# Altium PCB CPU_CARD.pcbdoc (part 7 of 10)
Units mil, origin at the board's own origin, x right, y up, seen from the top; angles counter-clockwise.
Board outline 12785.46 x 11935.21 mil, 2 copper layers (Top Layer, Bottom Layer); 169 components, 379 nets, 1548 pads, 1023 vias.
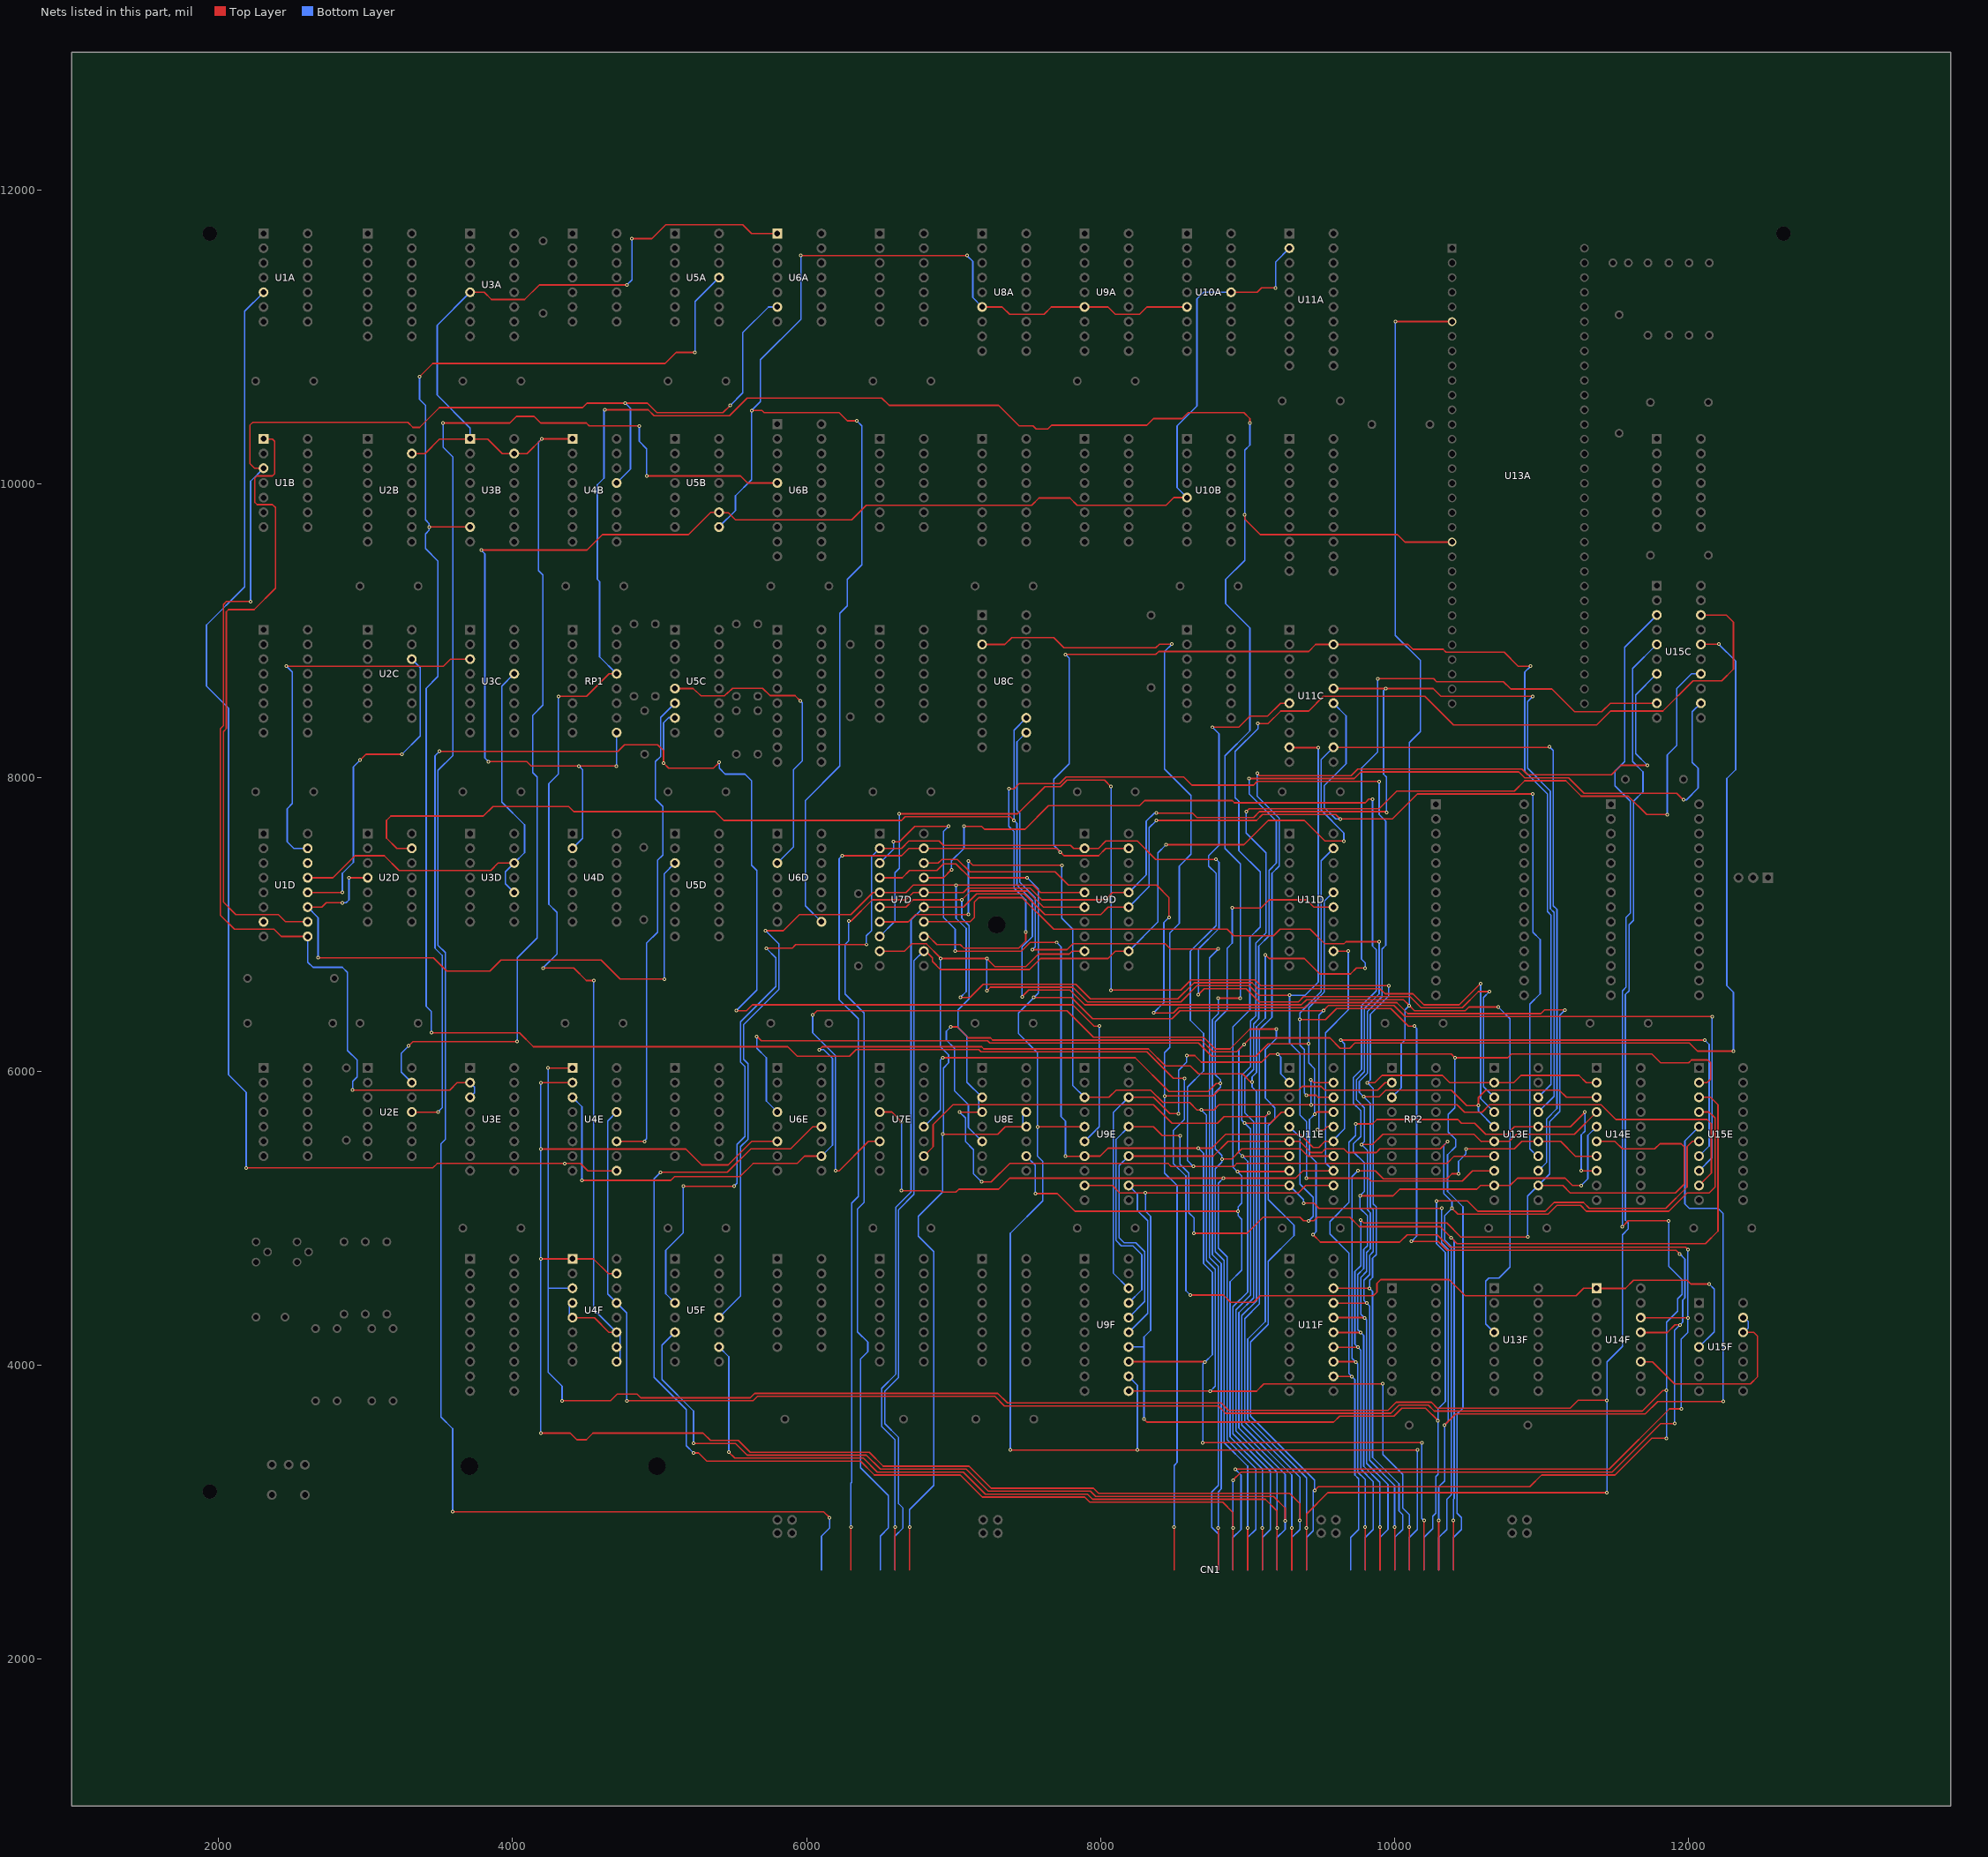
[diagram p7: the nets of this part, all layers, seen from the top]

## Via types
v1: diameter 24, hole 12, Top Layer to Bottom Layer, tented both sides, 1023 vias

## Nets (pads, with @x,y where several pads share a name; then routed paths per layer and width w, separated by ;. In a path a pad name is that pad's centre, name@x,y a point inside that pad or via, vN(x,y) a via of type N, cw(c..) or ccw(c..) an arc to the next point about the centre after c; other vN are vias at no path point) (continued)
/SPIO: U3B.7 U5A.11 U14F.1 U15F.4 | length 18595.9
  Top Layer w10: v1(3366.7,10727.2) 3456.7,10817.2 5036.7,10817.2 5111.7,10892.2 ; v1(3431.7,9704.29) U3B.7@3710.83,9704.3 ; v1(3446.7,6262.2) 4046.7,6262.2 4141.7,6167.2 5871.7,6167.2 5936.7,6102.2 6291.7,6102.2 6336.7,6147.2 7171.7,6147.2 7186.7,6132.2 8316.7,6132.2 8496.7,5952.2 v1(8571.7,5952.2) ; v1(8611.7,4477.2) 8836.7,4477.2 8886.7,4427.2 9041.7,4427.2 9086.7,4472.2 9856.7,4472.2 9881.7,4497.2 9881.7,4557.2 9906.7,4582.2 10371.7,4582.2 10481.7,4472.2 11236.7,4472.2 11288.1,4523.6 U14F.1@11376.17,4523.6 ; U14F.1@11376.17,4523.6 11377.55,4522.2 11571.7,4522.2 11626.7,4577.2 11991.7,4577.2 12016.7,4552.2 v1(12141.7,4552.2) ; 5111.7,10892.2 v1(5241.7,10892.2) 5111.7,10892.2
  Bottom Layer w10: v1(3366.7,10727.2) 3366.7,10572.2 3406.7,10532.2 3406.7,9752.2 3431.7,9727.2 3431.7,9707.2 3431.7,9682.2 3406.7,9657.2 3406.7,9557.2 3491.7,9472.2 3491.7,8687.2 3411.7,8607.2 3411.7,6442.2 3446.7,6407.2 v1(3446.7,6262.2) ; v1(5241.7,10892.2) 5241.7,11239.09 U5A.11@5404.53,11401.92 ; v1(8571.7,5952.2) 8571.7,5672.2 8496.7,5597.2 8496.7,5372.2 8581.7,5287.2 8581.7,4507.2 v1(8611.7,4477.2) ; U15F.4@12073.02,4123.59 12176.7,4227.3 12176.7,4517.2 v1(12141.7,4552.2)
/START: U1A.5 U4E.9 | length 8784.9
  Top Layer w10: v1(2186.7,5342.2) 3456.7,5342.2 3486.7,5372.2 4353.85,5372.2 4461.7,5372.2 4512.3,5322.8 U4E.9@4707.68,5322.81
  Bottom Layer w10: v1(2186.7,5342.2) 2186.7,5857.2 2066.7,5977.2 2066.7,8472.2 1916.7,8622.2 1916.7,9037.2 2176.7,9297.2 2176.7,11172.2 U1A.5@2305.3,11300.8
  other v1: 4353.85,5372.2
/STK: RP1.9 U4D.2 U5B.9 U10A.14 U10B.5 U11A.2 | length 10516
  Top Layer w10: v1(3786.7,9547.2) 4506.7,9547.2 4611.7,9652.2 5196.7,9652.2 5348.8,9804.3 U5B.9@5404.53,9804.29 5406.6,9802.2 5466.7,9802.2 5516.7,9752.2 6306.7,9752.2 6406.7,9852.2 7531.7,9852.2 7581.7,9902.2 7791.7,9902.2 7841.7,9852.2 8446.7,9852.2 8498.8,9904.3 U10B.5@8588.78,9904.29 ; v1(3836.7,8107.2) 4096.7,8107.2 4126.7,8077.2 v1(4451.7,8077.2) v1(4706.7,8077.2) ; U10A.14@8888.77,11301.92 9066.7,11302.2 9096.7,11332.2 v1(9191.7,11332.2)
  Bottom Layer w10: v1(3786.7,9547.2) 3811.7,9522.2 3811.7,8132.2 v1(3836.7,8107.2) ; U4D.2@4407.68,7517.29 4476.7,7586.3 4476.7,8052.2 v1(4451.7,8077.2) ; v1(4706.7,8077.2) 4706.7,8304.1 RP1.9@4707.68,8305.08 ; U10B.5@8588.78,9904.29 8521.7,9971.4 8521.7,10392.2 8656.7,10527.2 8656.7,11257.2 8701.4,11301.9 U10A.14@8888.77,11301.92 ; v1(9191.7,11332.2) 9191.7,11508 U11A.2@9285.62,11601.92
/T0: U1D.15 U3C.3 | length 2652.3
  Top Layer w10: v1(2461.7,8757.2) 3528.83,8757.2 3576.7,8805.07 U3C.3@3710.83,8805.08
  Bottom Layer w10: v1(2461.7,8757.2) 2501.7,8717.2 2501.7,7822.2 2466.7,7787.2 2466.7,7562.2 2511.7,7517.2 U1D.15@2605.33,7517.29
/T1: U1D.14
/T2: U1D.13 U3C.13 U3D.10 U3D.12 | length 3195.7
  Top Layer w10: U1D.13@2605.33,7317.29 2776.7,7317.2 2926.7,7467.2 3126.7,7467.2 3226.7,7367.2 3851.7,7367.2 3901.8,7417.3 U3D.12@4010.83,7417.29
  Bottom Layer w10: U3D.10@4010.83,7217.29 3951.7,7276.4 3951.7,7358.2 U3D.12@4010.83,7417.29 4081.7,7488.2 4081.7,7677.2 3926.7,7832.2 3926.7,8622.2 4009.6,8705.1 U3C.13@4010.83,8705.08
/T3: U1D.12 U2C.12 | length 2211.3
  Top Layer w10: U1D.12@2605.33,7217.29 2605.4,7217.2 v1(2841.7,7217.2) ; v1(2961.7,8117.2) 3001.7,8157.2 v1(3246.7,8157.2)
  Bottom Layer w10: v1(2841.7,7217.2) 2841.7,7347.2 2916.7,7422.2 2916.7,8072.2 v1(2961.7,8117.2) ; v1(3246.7,8157.2) 3371.7,8282.2 3371.7,8747.4 U2C.12@3313.98,8805.08
/T4: U1D.11 U2D.4 U5D.3 | length 4241.5
  Top Layer w10: U1D.11@2605.33,7117.29 2605.42,7117.2 2701.7,7117.2 2731.7,7147.2 v1(2841.7,7147.2) ; v1(2676.7,6772.2) 3461.7,6772.2 3551.7,6682.2 3846.7,6682.2 3921.7,6757.2 4601.7,6757.2 4731.7,6627.2 v1@5021.7,6627.2 ; v1(2886.7,7317.2) 3013.89,7317.2 U2D.4@3013.98,7317.29
  Bottom Layer w10: U1D.11@2605.33,7117.29 2676.7,7045.92 v1(2676.7,6772.2) ; v1(2841.7,7147.2) 2866.7,7147.2 2886.7,7167.2 v1(2886.7,7317.2) ; v1(5031.7,6627.2) 5031.7,7344.44 U5D.3@5104.53,7417.29
/T5: U1B.1 U1D.10 | length 4334.4
  Top Layer w10: U1B.1@2305.32,10304.29 2307.4,10302.2 2366.7,10302.2 2381.7,10287.2 2381.7,10067.2 2366.7,10052.2 2261.7,10052.2 2246.7,10037.2 2246.7,9872.2 2261.7,9857.2 2366.7,9857.2 2386.7,9837.2 2386.7,9287.2 2241.7,9142.2 2066.7,9142.2 2051.7,9127.2 2051.7,8332.2 2031.7,8312.2 2031.7,7152.2 2116.7,7067.2 2406.7,7067.2 2456.6,7017.3 U1D.10@2605.33,7017.29
/T6: U1B.3 U1D.9 U3E.2 U3E.3 U4B.13 U6A.6 | length 11383.3
  Top Layer w10: v1(2216.7,9197.2) 2051.7,9197.2 2031.7,9177.2 2031.7,8352.2 2011.7,8332.2 2011.7,7062.2 2106.7,6967.2 2376.7,6967.2 2426.8,6917.3 U1D.9@2605.33,6917.29 ; U1B.3@2305.32,10104.29 2244.6,10104.3 2211.7,10137.2 2211.7,10397.2 2231.7,10417.2 3286.7,10417.2 3321.7,10382.2 3366.7,10382.2 3501.7,10517.2 4476.7,10517.2 4506.7,10547.2 v1(4766.52,10547.2) 4916.7,10547.2 4981.7,10482.2 5431.7,10482.2 v1(5481.7,10532.2) ; v1(2911.7,5872.2) 3571.7,5872.2 3622.3,5922.8 U3E.2@3710.83,5922.81
  Bottom Layer w10: v1(2216.7,9197.2) 2216.7,10015.67 U1B.3@2305.32,10104.29 ; U1D.9@2605.33,6917.29 2606.7,6915.9 2606.7,6742.2 2641.7,6707.2 2841.7,6707.2 2876.7,6672.2 2876.7,6142.2 2941.7,6077.2 2941.7,5962.2 2911.7,5932.2 v1(2911.7,5872.2) ; U3E.3@3710.83,5822.81 3741.7,5853.66 3741.7,5891.94 U3E.2@3710.83,5922.81 ; U4B.13@4707.68,10004.3 4801.7,10098.3 4801.7,10512 v1(4766.52,10547.2) ; v1(5481.7,10532.2) 5566.7,10617.2 5566.7,11027.2 5741.4,11201.9 U6A.6@5801.38,11201.92
/T7: U1D.7
/UAS: RP2.3 U2D.13 U8C.13 U13A.6 U13F.4 | length 18256.2
  Top Layer w10: U2D.13@3313.98,7517.29 3211.7,7517.2 3141.7,7587.2 3141.7,7707.2 3171.7,7737.2 3801.7,7737.2 3866.7,7802.2 4381.7,7802.2 4416.7,7767.2 5376.7,7767.2 5436.7,7707.2 6646.7,7707.2 6671.7,7732.2 7386.7,7732.2 v1(7411.7,7707.2) ; v1(7466.7,6507.2) 7511.7,6552.2 7791.7,6552.2 7891.7,6452.2 9366.7,6452.2 9401.7,6487.2 10061.7,6487.2 v1(10101.7,6447.2) 10136.7,6412.2 10481.7,6412.2 10506.7,6437.2 v1(10706.7,6437.2) ; v1(10006.7,11102.2) 10392.44,11102.2 U13A.6@10392.71,11101.93
  Bottom Layer w10: v1(7466.7,6507.2) 7466.7,6847.2 7536.7,6917.2 7536.7,7162.2 7431.7,7267.2 7431.7,7687.2 v1(7411.7,7707.2) 7411.7,8321.7 U8C.13@7495.07,8405.08 ; RP2.3@9982.48,5822.81 10046.7,5887 10046.7,6187.2 10071.7,6212.2 10071.7,6417.2 v1(10101.7,6447.2) 10101.7,8237.2 10176.7,8312.2 10176.7,8797.2 10006.7,8967.2 v1(10006.7,11102.2) ; U13F.4@10679.32,4223.6 10621.7,4281.2 10621.7,4572.2 10641.7,4592.2 10711.7,4592.2 10786.7,4667.2 10786.7,6357.2 v1(10706.7,6437.2)
/UDS: CN1.66 RP2.2 U8C.3 | length 9874.1
  Top Layer w10: 7581.7,8952.2 7396.7,8952.2 ; v1(8436.7,5832.2) 8765.6,5832.2 8805.6,5872.2 9346.7,5872.2 9371.7,5897.2 9501.7,5897.2 9526.7,5872.2 9886.7,5872.2 9937.3,5922.8 RP2.2@9982.48,5922.81 ; v1(8486.7,8907.2) 8401.7,8907.2 8376.7,8882.2 7751.7,8882.2 7681.7,8952.2 7396.7,8952.2 ; v1(8501.7,2897.2) 8501.85,2897.05 CN1.66@8501.81,2607.23 ; 7349.58,8905.08 U8C.3@7195.07,8905.08 7349.58,8905.08 ; 7349.58,8905.08 7396.7,8952.2 ; 7349.58,8905.08 7396.7,8952.2
  Bottom Layer w10: v1(8486.7,8907.2) 8436.7,8857.2 8436.7,8057.2 8616.7,7877.2 8616.7,7477.2 8536.7,7397.2 8536.7,7007.2 8471.7,6942.2 8471.7,6162.2 8436.7,6127.2 v1(8436.7,5832.2) 8436.7,5307.2 8521.7,5222.2 8521.7,3337.2 8501.7,3317.2 v1(8501.7,2897.2)
/VAL: U14F.11 U15F.12 U15F.13 | length 1398.8
  Top Layer w10: U14F.11@11676.17,4023.6 11677.57,4022.2 11756.7,4022.2 11906.7,3872.2 12421.7,3872.2 12471.7,3922.2 12471.7,4197.2 12445.3,4223.6 U15F.12@12373.02,4223.59
  Bottom Layer w10: U15F.12@12373.02,4223.59 12378.1,4223.6 12406.7,4252.2 12406.7,4297.2 12380.3,4323.6 U15F.13@12373.02,4323.59
/VMA: CN1.59 U8C.12 | length 7172.4
  Top Layer w10: v1(7536.7,6827.2) 7771.7,6827.2 7811.7,6867.2 8441.7,6867.2 8476.7,6832.2 v1(8801.7,6832.2)
  Bottom Layer w10: U8C.12@7495.07,8305.08 7431.7,8241.7 7431.7,7777.2 7451.7,7757.2 7451.7,7287.2 7556.7,7182.2 7556.7,6847.2 v1(7536.7,6827.2) ; v1(8801.7,6832.2) 8741.7,6772.2 8741.7,4732.2 8801.7,4672.2 8801.7,3182.2 8756.7,3137.2 8756.7,2897.2 8801.89,2852.01 8801.89,2607.2
/VPA: CN1.60 RP1.13 U4F.4 U4F.5 U4F.9 U4F.10 U4F.11 U13A.21 | length 22207.9
  Top Layer w10: v1(4206.7,6702.2) 4416.7,6702.2 4501.7,6617.2 v1(4551.7,6617.2) ; v1(4311.7,8552.2) 4503.83,8552.2 4656.7,8705.07 RP1.13@4707.68,8705.08 ; U4F.5@4407.68,4323.6 4409.1,4322.2 4556.7,4322.2 4655.3,4223.6 U4F.11@4707.68,4223.6 ; v1(4626.7,10502.2) 4921.7,10502.2 4961.7,10462.2 5476.7,10462.2 5596.7,10582.2 6511.7,10582.2 6561.7,10532.2 7306.7,10532.2 7446.7,10392.2 7541.7,10392.2 7561.7,10372.2 7641.7,10372.2 7666.7,10397.2 8316.7,10397.2 8361.7,10442.2 8556.7,10442.2 8596.7,10482.2 8976.7,10482.2 9016.7,10442.2 v1(9016.7,10412.2) ; v1(8801.7,2892.2) 8801.89,2892.01 8801.89,2607.2 ; v1(8801.7,6497.2) v1(8951.7,6497.2) ; v1(8981.7,9787.2) 8981.7,9757.2 9086.7,9652.2 10021.7,9652.2 10071.97,9601.93 U13A.21@10392.71,9601.93
  Bottom Layer w10: v1(4206.7,6702.2) 4301.7,6797.2 4301.7,7082.2 4246.7,7137.2 4246.7,7957.2 4311.7,8022.2 v1(4311.7,8552.2) ; U4F.5@4407.68,4323.6 4405.3,4323.6 4386.7,4342.2 4386.7,4402.6 U4F.4@4407.68,4423.6 ; v1(4551.7,6617.2) 4551.7,4379.6 4731.7,4199.6 4731.7,4147.6 U4F.10@4707.68,4123.6 4731.7,4099.6 4731.7,4047.6 U4F.9@4707.68,4023.6 ; v1(4626.7,10502.2) 4621.7,10502.2 4621.7,10037.2 4576.7,9992.2 4576.7,9347.2 4591.7,9332.2 4591.7,8821.1 RP1.13@4707.68,8705.08 ; v1(8801.7,2892.2) 8801.7,3137.2 8821.7,3157.2 8821.7,4692.2 8761.7,4752.2 8761.7,6352.2 8801.7,6392.2 v1(8801.7,6497.2) ; v1(8951.7,6497.2) 8951.7,7412.2 8846.7,7517.2 8846.7,8147.2 9016.7,8317.2 9016.7,9017.2 8851.7,9182.2 8851.7,9347.2 8981.7,9477.2 v1(8981.7,9787.2) 8981.7,10227.2 9016.7,10262.2 v1(9016.7,10412.2)
/VSIR: U5C.5 U6D.3 | length 2109.7
  Top Layer w10: U5C.5@5104.53,8605.08 5228.83,8605.07 5281.7,8555.08 5441.7,8555.08 5496.7,8607.2 5701.7,8607.2 5751.7,8557.2 5921.7,8557.2 v1(5956.7,8522.2)
  Bottom Layer w10: U6D.3@5801.38,7417.29 5911.7,7527.6 5911.7,8052.2 5971.7,8112.2 5971.7,8507.2 v1(5956.7,8522.2)
/VSYNC: CN1.113 U6B.5 | length 14770.7
  Top Layer w10: v1(3526.7,10412.2) 3981.7,10412.2 4026.7,10457.2 4146.7,10457.2 4191.7,10412.2 4501.7,10412.2 4521.7,10392.2 v1(4861.7,10392.2) ; v1(4911.7,10052.2) 5551.7,10052.2 5599.61,10004.29 U6B.5@5801.38,10004.29 ; 5206.7,3002.2 v1(3591.7,3002.2) 6116.7,3002.2 v1(6156.7,2962.2)
  Bottom Layer w10: v1(3526.7,10412.2) 3526.7,10247.2 3592.8,10181.1 3592.8,8148.3 3491.7,8047.2 3491.7,6857.2 3541.7,6807.2 3541.7,5537.2 3511.7,5507.2 3511.7,3647.2 3591.7,3567.2 v1(3591.7,3002.2) ; v1(4861.7,10392.2) 4861.7,10287.2 4911.7,10237.2 v1(4911.7,10052.2) ; CN1.113@6101.56,2607.23 6101.6,2837.1 6156.7,2892.2 v1(6156.7,2962.2)
/VTIR: U2E.11 U5C.7 U9E.6 | length 10407.1
  Top Layer w10: U2E.11@3313.98,5722.8 3314.58,5722.2 v1(3491.7,5722.2) ; v1(3501.7,8177.2) 4716.7,8177.2 4761.7,8222.2 4986.7,8222.2 5026.7,8182.2 v1(5026.7,8097.2) 5061.7,8062.2 5366.7,8062.2 v1(5406.7,8102.2) ; v1(5521.7,6412.2) 5591.7,6412.2 5631.7,6452.2 7811.7,6452.2 7956.7,6307.2 v1(7991.7,6307.2)
  Bottom Layer w10: v1(3491.7,5722.2) 3520.6,5751.1 3520.6,6788.3 3471.7,6837.2 3471.7,8147.2 v1(3501.7,8177.2) ; v1(5026.7,8097.2) 5026.7,8372.2 5061.7,8407.2 5102.4,8407.2 U5C.7@5104.53,8405.08 ; v1(5406.7,8102.2) 5406.7,8062.2 5446.7,8022.2 5581.7,8022.2 5626.7,7977.2 5626.7,7402.2 5661.7,7367.2 5661.7,6552.2 v1(5521.7,6412.2) ; U9E.6@7891.92,5522.8 7991.7,5622.58 v1(7991.7,6307.2)
/VTMSK: U4E.11 U5C.6 | length 3298.8
  Top Layer w10: U4E.11@4707.68,5522.81 v1(4896.7,5522.8)
  Bottom Layer w10: v1(4896.7,5522.8) 4896.7,5527.2 4911.7,5542.2 4911.7,6872.2 4986.7,6947.2 4986.7,7437.2 5021.7,7472.2 5021.7,7802.2 4971.7,7852.2 4971.7,8107.2 5006.7,8142.2 5006.7,8407.3 U5C.6@5104.53,8505.08
A1: CN1.47 U4E.13 U4F.13 U7E.6 U15C.3 | length 27058.2
  Top Layer w10: v1(4776.7,3757.2) 5636.7,3757.2 5666.7,3787.2 7281.7,3787.2 7346.7,3722.2 8801.7,3722.2 8851.7,3672.2 9976.7,3672.2 10031.7,3727.2 10231.7,3727.2 10271.7,3687.2 11686.7,3687.2 11826.7,3827.2 v1(11851.7,3827.2) ; v1(6041.7,6382.2) 6071.7,6412.2 7771.7,6412.2 7951.7,6232.2 8701.7,6232.2 8781.7,6152.2 8881.7,6152.2 9016.7,6287.2 v1(9196.7,6287.2) ; v1(6196.7,5322.2) 6221.7,5322.2 6422.3,5522.8 U7E.6@6498.23,5522.81 ; v1(9456.7,3147.2) 9481.7,3172.2 10921.7,3172.2 11001.7,3252.2 11501.7,3252.2 11751.7,3502.2 v1(11851.7,3502.2) ; v1(11551.7,4942.2) 11591.7,4982.2 v1(11866.7,4982.2)
  Bottom Layer w10: U4E.13@4707.68,5722.81 4646.7,5661.81 4646.7,4484.58 U4F.13@4707.68,4423.6 4776.7,4354.6 v1(4776.7,3757.2) ; v1(6041.7,6382.2) 6041.7,6262.2 6196.7,6107.2 v1(6196.7,5322.2) ; v1(9196.7,6287.2) 9196.7,6222.2 9121.7,6147.2 9121.7,5817.2 9186.7,5752.2 9186.7,5677.2 9141.7,5632.2 9141.7,5127.2 9316.7,4952.2 9316.7,4882.2 9141.7,4707.2 9141.7,4277.2 9021.7,4157.2 9021.7,3652.2 9456.7,3217.2 v1(9456.7,3147.2) 9446.7,3147.2 9446.7,2872.2 9401.9,2827.4 CN1.47@9401.9,2607.24 ; v1(11551.7,4942.2) 11551.7,6547.2 11576.7,6572.2 11576.7,7047.2 11606.7,7077.2 11606.7,7837.2 11501.7,7942.2 11501.7,8042.2 11566.7,8107.2 11566.7,8886.2 U15C.3@11785.62,9105.08 ; v1(11851.7,3502.2) v1(11851.7,3827.2) 11851.7,4292.2 11926.7,4367.2 11926.7,4452.2 11956.7,4482.2 11956.7,4582.2 11866.7,4672.2 v1(11866.7,4982.2)
A2: CN1.48 U4E.1 U4F.3 U7E.10 U15C.5 | length 24083.7
  Top Layer w10: v1(4241.7,6022.2) U4E.1@4407.68,6022.81 ; v1(4336.7,3757.2) 4666.7,3757.2 4711.7,3802.2 4846.7,3802.2 4871.7,3777.2 5616.7,3777.2 5646.7,3807.2 7301.7,3807.2 7366.7,3742.2 8821.7,3742.2 8871.7,3692.2 9956.7,3692.2 10011.7,3747.2 10251.7,3747.2 10291.7,3707.2 11196.7,3707.2 11250.4,3760.9 v1(11446.7,3760.94) ; U7E.10@6798.23,5422.81 6861.7,5486.26 6861.7,5637.2 6996.7,5772.2 8361.7,5772.2 8486.7,5647.2 8796.7,5647.2 8841.7,5692.2 9121.7,5692.2 v1(9146.7,5717.2) ; CN1.48@9401.9,2607.23 9401.95,2891.95 v1(9401.7,2892.2) 9401.7,2987.2 9546.7,3132.2 v1(11446.7,3132.2)
  Bottom Layer w10: 4241.7,4523.59 U4F.3@4407.68,4523.6 ; v1(4241.7,6022.2) 4241.7,3952.2 4336.7,3857.2 v1(4336.7,3757.2) ; v1(9146.7,5717.2) 9121.7,5692.2 9121.7,4297.2 9001.7,4177.2 9001.7,3632.2 9401.7,3232.2 v1(9401.7,2892.2) ; v1(11446.7,3132.2) v1(11446.7,3760.94) ; v1(11446.7,3760.94) 11446.7,4022.2 11551.7,4127.2 11551.7,4887.2 11591.7,4927.2 11591.7,4967.2 11571.7,4987.2 11571.7,6522.2 11596.7,6547.2 11596.7,6997.2 11626.7,7027.2 11626.7,7837.2 11691.7,7902.2 11691.7,8037.2 11621.7,8107.2 11621.7,8742.2 11784.6,8905.1 U15C.5@11785.62,8905.08
A3: CN1.49 U4E.2 U4F.1 U4F.15 U6E.6 U15C.7 | length 19594.2
  Top Layer w10: v1(4191.7,3537.2) 4391.7,3537.2 4436.7,3492.2 4501.7,3492.2 4546.7,3537.2 5296.7,3537.2 5346.7,3487.2 5536.7,3487.2 5616.7,3407.2 6426.7,3407.2 6521.7,3312.2 7106.7,3312.2 7256.7,3162.2 7951.7,3162.2 7986.7,3127.2 9286.7,3127.2 9356.7,3057.2 v1(9356.7,2941.87) ; v1(4191.7,4723.14) U4F.1@4407.68,4723.6 ; v1(4191.7,5471.14) 5177.8,5471.1 5286.7,5362.2 5466.7,5362.2 5626.7,5522.2 U6E.6@5801.38,5522.81 ; v1(4191.7,5922.2) U4E.2@4407.68,5922.81 ; U4F.1@4407.68,4723.6 4550.31,4723.59 4651.7,4622.2 4706.3,4622.2 U4F.15@4707.68,4623.6 ; v1(9066.7,8027.2) 9081.7,8012.2 9706.7,8012.2 9751.7,8057.2 10866.7,8057.2 10906.7,8017.2 11476.7,8017.2 11541.7,8082.2 v1(11721.7,8082.2)
  Bottom Layer w10: v1(4191.7,3537.2) v1(4191.7,4723.14) 4191.7,5251.15 v1(4191.7,5471.14) v1(4191.7,5922.2) ; v1(9066.7,8027.2) 9066.7,7872.2 9216.7,7722.2 9216.7,7397.2 9166.7,7347.2 9166.7,6367.2 9081.7,6282.2 9081.7,4417.2 8981.7,4317.2 8981.7,3612.2 9356.7,3237.2 v1(9356.7,2941.87) 9356.7,2882.2 9301.94,2827.44 CN1.49@9301.9,2607.23 ; v1(11721.7,8082.2) 11641.7,8162.2 11641.7,8562.2 11784.6,8705.1 U15C.7@11785.62,8705.08
A4: CN1.50 U4E.3 U6E.10 U15C.9 | length 15363
  Top Layer w10: v1(4471.7,5257.2) 5076.7,5257.2 5101.7,5282.2 5546.7,5282.2 5636.7,5372.2 5786.7,5372.2 5936.1,5372.2 5986.7,5422.8 U6E.10@6101.38,5422.81 ; v1(6086.7,6147.2) 6106.7,6167.2 7191.7,6167.2 7206.7,6152.2 8326.7,6152.2 8441.7,6037.2 8611.7,6037.2 8666.7,5982.2 8966.7,5982.2 9021.7,5927.2 v1(9031.7,5927.2) ; v1(9121.7,6792.2) 9146.7,6767.2 9386.7,6767.2 9491.7,6662.2 9701.7,6662.2 9741.7,6702.2 v1(9801.7,6702.2) ; v1(9301.7,2892.2) 9301.94,2891.96 CN1.50@9301.9,2607.22 ; v1(9886.7,8672.2) 10266.7,8672.2 10286.7,8652.2 10741.7,8652.2 10791.7,8602.2 11071.7,8602.2 11226.7,8447.2 11411.7,8447.2 11469.6,8505.1 U15C.9@11785.62,8505.08
  Bottom Layer w10: U4E.3@4407.68,5822.81 4471.7,5758.79 v1(4471.7,5257.2) ; v1(6086.7,6147.2) 6116.7,6147.2 6176.7,6087.2 6176.7,5498.11 U6E.10@6101.38,5422.81 ; v1(9121.7,6792.2) 9121.7,6362.2 9061.7,6302.2 9061.7,5992.2 9031.7,5962.2 v1(9031.7,5927.2) 9031.7,5892.2 9061.7,5862.2 9061.7,4437.2 8961.7,4337.2 8961.7,3592.2 9301.7,3252.2 v1(9301.7,2892.2) ; v1(9801.7,6702.2) 9801.7,6737.2 9776.7,6762.2 9776.7,8062.2 9886.7,8172.2 v1(9886.7,8672.2)
A5: CN1.51 U5F.6 U15C.12 | length 14750.9
  Top Layer w10: v1(5231.7,3467.2) 5516.7,3467.2 5596.7,3387.2 6406.7,3387.2 6501.7,3292.2 7086.7,3292.2 7236.7,3142.2 7931.7,3142.2 7966.7,3107.2 9176.7,3107.2 9256.7,3027.2 v1(9256.7,2940.36) ; v1(9011.7,7992.2) 9726.7,7992.2 9771.7,8037.2 10846.7,8037.2 10886.7,7997.2 11186.7,7997.2 11291.7,7892.2 11921.7,7892.2 v1(11966.7,7847.2)
  Bottom Layer w10: U5F.6@5104.53,4223.6 5016.7,4135.7 5016.7,3902.2 5231.7,3687.2 v1(5231.7,3467.2) ; v1(9011.7,7992.2) 9011.7,7887.2 9196.7,7702.2 9196.7,7417.2 9146.7,7367.2 9146.7,6922.2 9076.7,6852.2 9076.7,6357.2 9041.7,6322.2 9041.7,6012.2 8981.7,5952.2 8981.7,5717.2 9041.7,5657.2 9041.7,4457.2 8941.7,4357.2 8941.7,3572.2 9256.7,3257.2 v1(9256.7,2940.36) 9256.7,2882.2 9201.93,2827.43 CN1.51@9201.89,2607.23 ; v1(11966.7,7847.2) 11986.7,7847.2 12066.7,7927.2 12066.7,8062.2 12026.7,8102.2 12026.7,8447.2 12084.6,8505.1 U15C.12@12085.62,8505.08
A6: CN1.52 U5F.10 U11E.4 U15C.14 | length 14693.9
  Top Layer w10: v1(5471.7,3407.2) 5511.7,3367.2 6386.7,3367.2 6481.7,3272.2 7066.7,3272.2 7216.7,3122.2 7911.7,3122.2 7946.7,3087.2 9121.7,3087.2 9201.7,3007.2 v1(9201.7,2892.2) 9201.93,2891.97 CN1.52@9201.89,2607.22 ; v1(8981.7,5647.2) 9156.7,5647.2 9231.7,5722.2 U11E.4@9285.62,5722.8 ; v1(8991.7,7767.2) 9011.7,7787.2 9896.7,7787.2 10016.7,7907.2 10816.7,7907.2 10886.7,7977.2 11166.7,7977.2 11271.7,7872.2 11591.7,7872.2 11716.7,7747.2 v1(11856.7,7747.2)
  Bottom Layer w10: U5F.10@5404.53,4123.6 5471.7,4056.4 v1(5471.7,3407.2) ; v1(8991.7,7767.2) 8991.7,7622.2 9126.7,7487.2 9126.7,6942.2 9056.7,6872.2 9056.7,6377.2 9021.7,6342.2 9021.7,6032.2 8961.7,5972.2 8961.7,5667.2 v1(8981.7,5647.2) 9021.7,5607.2 9021.7,4477.2 8921.7,4377.2 8921.7,3552.2 9201.7,3272.2 v1(9201.7,2892.2) ; v1(11856.7,7747.2) 11856.7,8152.2 11921.7,8217.2 11921.7,8605.1 12021.7,8705.1 U15C.14@12085.62,8705.08
A7: CN1.53 U8E.6 U11E.7 U15C.16 | length 13479.8
  Top Layer w10: v1(6981.7,6302.2) 7026.7,6302.2 7101.7,6227.2 7251.7,6227.2 7266.7,6212.2 8686.7,6212.2 8766.7,6132.2 8926.7,6132.2 v1(8976.7,6182.2) 9021.7,6227.2 9561.7,6227.2 9631.7,6157.2 9696.7,6157.2 9731.7,6192.2 12006.7,6192.2 12061.7,6137.2 v1(12306.7,6137.2) ; v1(8966.7,5422.2) U11E.7@9285.62,5422.8 ; U15C.16@12085.62,8905.08 12087.74,8907.2 v1(12206.7,8907.2)
  Bottom Layer w10: v1(6981.7,6302.2) 6951.7,6272.2 6951.7,6212.2 7006.7,6157.2 7006.7,5867.2 7101.7,5772.2 7101.7,5616.2 U8E.6@7195.08,5522.81 ; v1(8976.7,6182.2) 8941.7,6147.2 8941.7,5447.2 v1(8966.7,5422.2) 9001.7,5387.2 9001.7,4497.2 8901.7,4397.2 8901.7,3532.2 9156.7,3277.2 9156.7,2882.2 9101.92,2827.42 CN1.53@9101.89,2607.23 ; v1(12206.7,8907.2) 12321.7,8792.2 12321.7,8052.2 12261.7,7992.2 12261.7,6582.2 12306.7,6537.2 v1(12306.7,6137.2)
A8: CN1.54 U8E.10 U11E.8 U15C.18 | length 12992.2
  Top Layer w10: v1(7556.7,5167.2) 7706.7,5167.2 7826.7,5047.2 v1(8936.7,5047.2) 8264.25,5047.2 8263.69,5047.77 ; v1(8931.7,5317.2) 9280.02,5317.2 U11E.8@9285.62,5322.8 ; v1(9071.7,8367.2) 9141.7,8367.2 9226.7,8452.2 9416.7,8452.2 9516.7,8552.2 10206.7,8552.2 10401.7,8357.2 11376.7,8357.2 11471.7,8452.2 11826.7,8452.2 12031.7,8657.2 12226.7,8657.2 12306.7,8737.2 12306.7,9057.2 12258.8,9105.1 U15C.18@12085.62,9105.08 ; v1(9101.7,2892.2) 9101.92,2891.98 CN1.54@9101.89,2607.22
  Bottom Layer w10: U8E.10@7495.08,5422.81 7556.7,5361.2 v1(7556.7,5167.2) ; v1(9071.7,8367.2) 9071.7,8332.2 8916.7,8177.2 8916.7,7862.2 8941.7,7837.2 8941.7,7502.2 9086.7,7357.2 9086.7,6982.2 9016.7,6912.2 9016.7,6417.2 8901.7,6302.2 8901.7,5347.2 v1(8931.7,5317.2) 8961.7,5287.2 8961.7,5102.2 8936.7,5077.2 v1(8936.7,5047.2) 8936.7,5017.2 8961.7,4992.2 8961.7,4647.2 8881.7,4567.2 8881.7,3512.2 9101.7,3292.2 v1(9101.7,2892.2)
A9: CN1.55 U7E.4 U11D.12 U11E.13 | length 8138.9
  Top Layer w10: U7E.4@6498.23,5722.81 6581.1,5722.8 v1(6646.7,5657.2) ; v1(6646.7,5187.2) 6911.7,5187.2 6921.7,5177.2 7016.7,5177.2 7036.7,5197.2 7306.7,5197.2 7381.7,5272.2 v1(8836.7,5272.2) 9326.7,5272.2 9377.3,5322.8 U11E.13@9585.62,5322.8 ; U11D.12@9585.62,6817.29 9585.71,6817.2 v1(9686.7,6817.2)